# Altium PCB CAMA001AA-PCB.PcbDoc (continued)
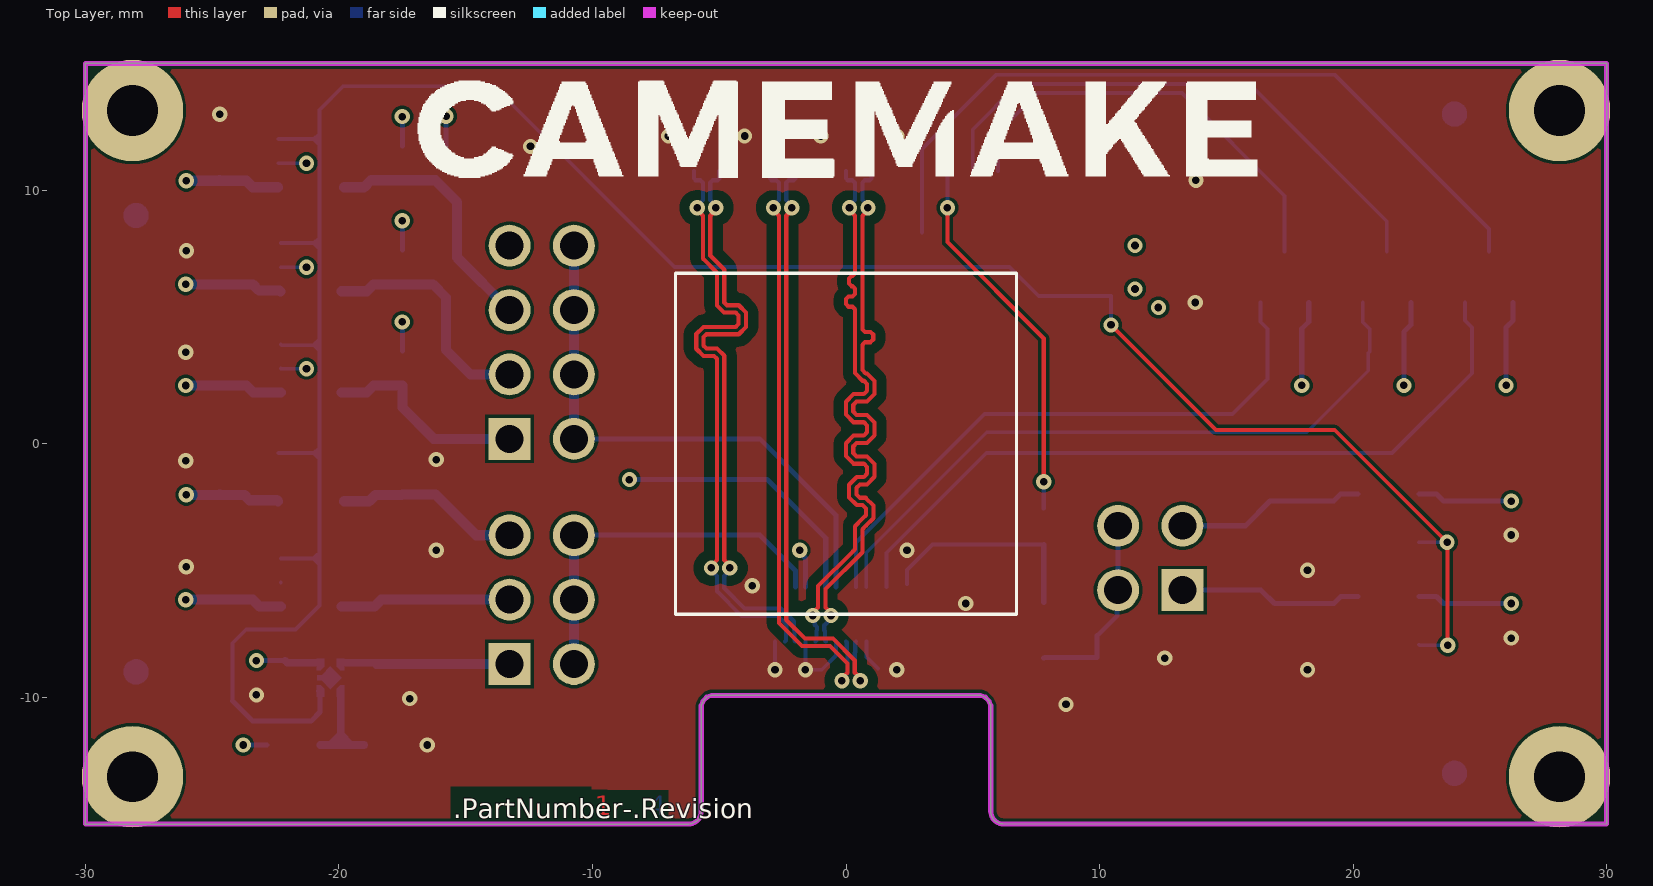
[diagram p0: Top Layer view]
## Part data (continued)
J5: library part "Wurth 61300421121", "THT Vertical Pin Header WR-PHD, Pitch 2.54 mm, Dual Row, 4 pins", Color=Black, Contact Resistance="20 mOhm", Manufacturer="Wurth Electronics", Operating Temperature="-40 to 105 degC", Rated Current="3 A", Supplier Part Number 1=732-5294-ND, Withstanding Voltage="500 VAC", Working Voltage="250 VAC", ComponentLink1Description=Manufacturer, ComponentLink1URL=http://www.we-online.de, ComponentLink2Description=Datasheet, ComponentLink2URL=https://katalog.we-online.de/em/datasheet/6130xx21121.pdf, ComponentLink3Description=https://datasheet.ciiva.com/28505/1442180-28505404.pdf?src-supplier=Element14, ComponentLink3URL=https://datasheet.ciiva.com/28505/1442180-28505404.pdf?src-supplier=Element14, Connector Type="Male Pin", Contact Material=Copper, Contact Mating Length=0.236inch, Contact Plating=Gold, Gender=Male, Lead Free="Lead Free", Manufacturer Part Number=61300421121, Mount="Through Hole", Mounting Technology=THT, Number of Contacts=4, Number of Positions=4, Number of Rows=2, Orientation=Vertical, Packaging=Bag, PART NUMBER=61300421121, Pin Number=4, Pitch="2.54 mm", Pricing 1="1=0,45000, 10=0,38500, 25=0,32120, 50=0,26700, 100=0,24300, 1000=0,22100 (USD)", Pricing 2="10=0,23900, 100=0,21700, 500=0,21400, 1000=0,21000, 2500=0,20600, 5000=0,20200 (EUR)", Pricing 3="1=0,45000, 10=0,38500, 25=0,32100, 50=0,26700, 100=0,24300, 1000=0,22100, 10000=0,22100 (USD)", Pricing 4="5=0,45200, 125=0,22000, 500=0,19600, 2500=0,17600, 5000=0,15800 (EUR)", Pricing 5="125=0,22000, 500=0,19600, 2500=0,17600, 5000=0,15800 (EUR)", Pricing 6="10=0,38500, 25=0,32100, 30=0,32100, 50=0,26700, 100=0,24300, 500=0,23200, 1000=0,22100 (USD)", Published Date="August 2018", Publisher="Wurth Elektronik", REACH SVHC=Unknown, RoHS=Yes, Row Number=Dual, Row Spacing=0.1inch, Stock 1=5126, Stock 2=7099, Stock 3=2729, Stock 4=155, Stock 5=155, Stock 6=6319, Supplier 1=Digi-Key, Supplier 2=Farnell, Supplier 3=Mouser, Supplier 4=RSComponents, Supplier 5=RSComponents, Supplier 6=Newark, Supplier Part Number 2=2356130, Supplier Part Number 3=710-61300421121, Supplier Part Number 4=8281513, Supplier Part Number 5=8281513P, Supplier Part Number 6=20X0953, Termination=Solder
Q1 Q2 Q3: library part "Diodes DMN62D0U-13", "Trans MOSFET N-CH 60V 0.38A Automotive 3-Pin SOT-23 T/R", Alternative MPN1=DMG2302UK-7, Case/Package=TO-236-3, Continuous Drain Current (ID)=380mA, Drain to Source Voltage (Vdss)=60V, Input Capacitance=32pF, Manufacturer=Diodes, Max Operating Temperature=150°C, Max Power Dissipation=380mW, Min Operating Temperature=-55°C, Supplier Part Number 1=DMN62D0U-13DICT-ND, Supplier Part Number 10=3127350, Supplier Part Number 11=3127350RL, Category=MOSFETs, ComponentLink1Description=http://www.farnell.com/datasheets/2814415.pdf?src-supplier=Farnell, ComponentLink1URL=http://www.farnell.com/datasheets/2814415.pdf?src-supplier=Farnell, ComponentLink2Description=http://www.mouser.com/ds/2/115/DMN62D0U-767517.pdf?src-supplier=Mouser, ComponentLink2URL=http://www.mouser.com/ds/2/115/DMN62D0U-767517.pdf?src-supplier=Mouser, ComponentLink3Description=https://www.diodes.com/assets/Datasheets/DMN62D0U.pdf?src-supplier=Digi-Key, ComponentLink3URL=https://www.diodes.com/assets/Datasheets/DMN62D0U.pdf?src-supplier=Digi-Key, ComponentLink4Description=http://www.farnell.com/datasheets/2814415.pdf?src-supplier=Newark, ComponentLink4URL=http://www.farnell.com/datasheets/2814415.pdf?src-supplier=Newark, Manufacturer Part Number=DMN62D0U-13, Mount="Surface Mount", Number of Pins=3, Packaging="Tape and Reel", Pricing 1="1=0,31000, 10=0,25000, 25=0,20920, 100=0,10220, 500=0,08526, 1000=0,05924, 2500=0,05506, 5000=0,04762 (USD)", Pricing 2="1=0,31000, 10=0,25000, 25=0,20920, 100=0,10220, 250=0,10060, 500=0,08526, 1000=0,05924, 2500=0,05506, 5000=0,04762 (USD)", Pricing 3="10000=0,03949, 30000=0,03879, 50000=0,03485, 100000=0,03090, 250000=0,03020 (USD)", Pricing 4="1=0,03800, 10=0,03800, 25=0,03800, 50=0,03800, 100=0,03800, 250=0,03800, 500=0,03800, 1000=0,03800 (USD)", Pricing 5="1=0,26970, 10=0,18100, 100=0,08690, 500=0,07360, 1000=0,04170, 10000=0,03250, 30000=0,03160, 50000=0,02870, 100000=0,02690, 250000=0,02630, 10000=0,02110, 30000=0,02080, 50000=0,01830, 100000=0,01720, 250000=0,01680, 1=0,17820, 10=0,15700, 25=0,15280, 100=0,08380, 250=0,08290, 500=0,07180, 1000=0,04740, 3000=0,04690, 6000=0,04650 (USD)", Pricing 6="1=0,31000, 10=0,20800, 100=0,10000, 500=0,08500, 1000=0,05900, 2500=0,04800 (USD)", Pricing 7="10000=0,02700, 20000=0,02600, 40000=0,02500, 60000=0,02400, 100000=0,02300 (USD)", Pricing 8="1=0,32500, 10=0,22600, 25=0,18400, 50=0,14100, 100=0,09900 (USD)", Pricing 9="10000=0,03817, 20000=0,03714, 40000=0,03710, 60000=0,03218, 80000=0,03213 (USD)", Pricing 10="5=0,19700, 25=0,19100, 100=0,07830, 250=0,07220, 500=0,07190, 1000=0,03770, 5000=0,03700 (GBP)", Pricing 11="10=0,19700, 25=0,19100, 100=0,07830, 250=0,07220, 500=0,07190, 1000=0,03770, 5000=0,03700 (GBP)", Rds On Max=2R, RoHS=Yes, Stock 1=129536, Stock 2=129536, Stock 3=120000, Stock 4=11477, Stock 5=109000, Stock 6=30973, Stock 10=5162, Supplier 1=Digi-Key, Supplier 2=Digi-Key, Supplier 3=Digi-Key, Supplier 4=Newark, Supplier 5="Arrow Electronics", Supplier 6=Mouser, Supplier 7=Newark, Supplier 8=Avnet, Supplier 9=Avnet, Supplier 10=Farnell, Supplier 11=Farnell, Supplier Part Number 2=DMN62D0U-13DIDKR-ND, Supplier Part Number 3=DMN62D0U-13DITR-ND, Supplier Part Number 4=07AH3790, Supplier Part Number 5=DMN62D0U-13, Supplier Part Number 6=621-DMN62D0U-13, Supplier Part Number 7=38AH7803, Supplier Part Number 8=07AH3790, Supplier Part Number 9=DMN62D0U-13
R1: library part "Stackpole RMCF0603JT22R0", "RES 22 OHM 5% 1/10W 0603", Case Code (Imperial)=0603, Case Code (Metric)=1608, Manufacturer="Stackpole Electronics", Max Operating Temperature=155°C, Max Power Dissipation=100mW, Min Operating Temperature=-55°C, Resistance=22, Resistor Type="Thick Film", Supplier Part Number 1=RMCF0603JT22R0CT-ND, Supplier Part Number 10=RMCF0603JT22R0-CUTT, Supplier Part Number 11=RMCF0603JT22R0-REEL, Temperature Coefficient=100ppm/°C, Tolerance=5%, Case/Package=0603, Category="Chip SMD Resistors", ComponentLink1Description=http://components.arrow.com/part/dataview/50568178S380742N1174?src-supplier=Arrow+Electronics, ComponentLink1URL=http://components.arrow.com/part/dataview/50568178S380742N1174?src-supplier=Arrow+Electronics, ComponentLink2Description=https://www.seielect.com/catalog/SEI-Packaging.pdf?src-supplier=Digi-Key, ComponentLink2URL=https://www.seielect.com/catalog/SEI-Packaging.pdf?src-supplier=Digi-Key, ComponentLink3Description=http://www.seielect.com/catalog/sei-rmc.pdf?src-supplier=Future+Electronics, ComponentLink3URL=http://www.seielect.com/catalog/sei-rmc.pdf?src-supplier=Future+Electronics, ComponentLink4Description=https://www.seielect.com/catalog/SEI-RMCF_RMCP.pdf?src-supplier=Avnet, ComponentLink4URL=https://www.seielect.com/catalog/SEI-RMCF_RMCP.pdf?src-supplier=Avnet, ComponentLink5Description=https://www.seielect.com/catalog/SEI-RMCF_RMCP.pdf?src-supplier=Avnet+Asia, ComponentLink5URL=https://www.seielect.com/catalog/SEI-RMCF_RMCP.pdf?src-supplier=Avnet+Asia, Contact Plating=Tin,Matte, Features="Automotive AEC-Q200", Height=0.022inch, Lead Free="Lead Free", Length=0.061inch, Manufacturer Part Number=RMCF0603JT22R0, Mount="Surface Mount", Number of Terminations=2, Packaging="Tape and Reel", Power Rating=100mW, Pricing 1="1=0,10000, 10=0,01400, 100=0,00580, 1000=0,00262, 2500=0,00228 (USD)", Pricing 2="1=0,10000, 10=0,01400, 100=0,00580, 1000=0,00262, 2500=0,00228 (USD)", Pricing 3="5000=0,00188, 10000=0,00163, 25000=0,00144, 50000=0,00132, 125000=0,00129 (USD)", Pricing 4="1=0,09800, 50=0,01930, 100=0,01450, 500=0,00740, 1500=0,00470 (USD)", Pricing 5="5000=0,00130, 500000=0,00120, 1=0,01460, 25=0,01450, 100=0,00500, 500=0,00330 (USD)", Pricing 6="5000=0,00300, 50000=0,00200 (USD)", Pricing 7="5000=0,00128, 10000=0,00126, 20000=0,00122, 30000=0,00120, 40000=0,00115, 50000=0,00113, 500000=0,00110 (USD)", Pricing 8="5000=0,00370, 15000=0,00310, 25000=0,00310, 75000=0,00300, 125000=0,00300 (USD)", Radiation Hardening=No, RoHS=Yes, RoHS Compliant=Yes, Series=RMCF, Size Code=0603, Stock 1=246248, Stock 2=246248, Stock 3=245000, Stock 4=2482, Stock 5=10000, Supplier 1=Digi-Key, Supplier 2=Digi-Key, Supplier 3=Digi-Key, Supplier 4="Future Electronics", Supplier 5="Arrow Electronics", Supplier 6=Newark, Supplier 7=Avnet, Supplier 8="Future Electronics", Supplier 9=Digi-Key, Supplier 10="Future Electronics", Supplier 11="Future Electronics", Supplier Part Number 2=RMCF0603JT22R0DKR-ND, Supplier Part Number 3=RMCF0603JT22R0TR-ND, Supplier Part Number 4=2113254, Supplier Part Number 5=RMCF0603JT22R0, Supplier Part Number 6=32AC2627, Supplier Part Number 7=RMCF0603JT22R0, Supplier Part Number 8=5190178, Supplier Part Number 9=RMCF0603JT22R0-ND, Width=0.031inch
R2 R3 R5: library part "Stackpole RMCF0603FT2K20", "RES 2.2K OHM 1% 1/10W 0603", Case Code (Imperial)=0603, Case Code (Metric)=1608, Manufacturer="Stackpole Electronics", Max Operating Temperature=155°C, Max Power Dissipation=100mW, Min Operating Temperature=-55°C, Resistance=2.2k, Resistor Type="Thick Film", Supplier Part Number 1=RMCF0603FT2K20CT-ND, Temperature Coefficient=100ppm/°C, Tolerance=1%, Case/Package=0603, Category="Chip SMD Resistors", ComponentLink1Description=http://components.arrow.com/part/dataview/46931077S7088098N1174?src-supplier=Arrow+Electronics, ComponentLink1URL=http://components.arrow.com/part/dataview/46931077S7088098N1174?src-supplier=Arrow+Electronics, ComponentLink2Description=https://www.seielect.com/catalog/SEI-RMCF_RMCP.pdf?src-supplier=Avnet+Asia, ComponentLink2URL=https://www.seielect.com/catalog/SEI-RMCF_RMCP.pdf?src-supplier=Avnet+Asia, ComponentLink3Description=https://www.seielect.com/catalog/SEI-RMCF_RMCP.pdf?src-supplier=Avnet, ComponentLink3URL=https://www.seielect.com/catalog/SEI-RMCF_RMCP.pdf?src-supplier=Avnet, ComponentLink4Description=https://www.seielect.com/catalog/SEI-Packaging.pdf?src-supplier=Digi-Key, ComponentLink4URL=https://www.seielect.com/catalog/SEI-Packaging.pdf?src-supplier=Digi-Key, ComponentLink5Description=http://www.seielect.com/Catalog/SEI-rmc.pdf?src-supplier=Future+Electronics, ComponentLink5URL=http://www.seielect.com/Catalog/SEI-rmc.pdf?src-supplier=Future+Electronics, Contact Plating=Tin,Matte, Features="Automotive AEC-Q200", Height=0.022inch, Lead Free="Lead Free", Length=0.061inch, Manufacturer Part Number=RMCF0603FT2K20, Mount="Surface Mount", Number of Terminations=2, Packaging="Tape and Reel", Power Rating=100mW, Pricing 1="1=0,10000, 10=0,01500, 100=0,00590, 1000=0,00265, 2500=0,00230 (USD)", Pricing 2="1=0,10000, 10=0,01500, 100=0,00590, 1000=0,00265, 2500=0,00230 (USD)", Pricing 3="5000=0,00190, 10000=0,00165, 25000=0,00145, 50000=0,00136 (USD)", Pricing 4="5000=0,00220, 10000=0,00218, 20000=0,00216, 30000=0,00214, 40000=0,00212 (USD)", Pricing 5="5000=0,00200, 10000=0,00160, 1=0,02480, 10=0,01110, 25=0,00950 (USD)", Pricing 6="5000=0,00260, 20000=0,00220, 75000=0,00210, 200000=0,00210, 500000=0,00210 (USD)", Radiation Hardening=No, RoHS=Yes, Stock 1=288002, Stock 2=288002, Stock 3=285000, Stock 4=15000, Stock 5=5000, Supplier 1=Digi-Key, Supplier 2=Digi-Key, Supplier 3=Digi-Key, Supplier 4=Avnet, Supplier 5="Arrow Electronics", Supplier 6="Future Electronics", Supplier Part Number 2=RMCF0603FT2K20DKR-ND, Supplier Part Number 3=RMCF0603FT2K20TR-ND, Supplier Part Number 4=RMCF0603FT2K20, Supplier Part Number 5=RMCF0603FT2K20, Supplier Part Number 6=7001095, Width=0.031inch
R8: library part "Stackpole RMCF0603FT10K0", "Res Thick Film 0603 10K Ohm 1% 0.1W(1/10W) ±100ppm/C Molded SMD Automotive T/R", Case Code (Imperial)=0603, Case Code (Metric)=1608, Manufacturer="Stackpole Electronics", Max Operating Temperature=155°C, Max Power Dissipation=100mW, Min Operating Temperature=-55°C, Resistance=10k, Resistor Type="Thick Film", Supplier Part Number 1=RMCF0603FT10K0CT-ND, Supplier Part Number 10=RMCF0603FT10K0-ND, Supplier Part Number 11=RMCF0603FT10K0-CUTT, Supplier Part Number 12=RMCF0603FT10K0-REEL, Temperature Coefficient=100ppm/°C, Tolerance=1%, Case/Package=0603, Category="Chip SMD Resistors", ComponentLink1Description=http://components.arrow.com/part/dataview/43747082S6756917N1174?src-supplier=Arrow+Electronics, ComponentLink1URL=http://components.arrow.com/part/dataview/43747082S6756917N1174?src-supplier=Arrow+Electronics, ComponentLink2Description=https://www.seielect.com/catalog/sei-rmcf_rmcp.pdf?src-supplier=Digi-Key, ComponentLink2URL=https://www.seielect.com/catalog/sei-rmcf_rmcp.pdf?src-supplier=Digi-Key, ComponentLink3Description=https://www.seielect.com/catalog/SEI-RMCF_RMCP.pdf?src-supplier=Avnet, ComponentLink3URL=https://www.seielect.com/catalog/SEI-RMCF_RMCP.pdf?src-supplier=Avnet, ComponentLink4Description=http://www.seielect.com/catalog/sei-rmc.pdf?src-supplier=Future+Electronics, ComponentLink4URL=http://www.seielect.com/catalog/sei-rmc.pdf?src-supplier=Future+Electronics, ComponentLink5Description=https://www.verical.com/server-webapp/html/getDatasheet?partID=360913&src-supplier=Verical, ComponentLink5URL=https://www.verical.com/server-webapp/html/getDatasheet?partID=360913&src-supplier=Verical, Contact Plating=Tin,Matte, Depth=0.8mm, Features="Automotive AEC-Q200", Height=0.022inch, Lead Free="Lead Free", Length=1.55mm, Manufacturer Part Number=RMCF0603FT10K0, Military Standard=Not, Mount="Surface Mount", Number of Terminations=2, Packaging="Tape and Reel", Power Rating=100mW, Pricing 1="1=0,10000, 10=0,01500, 100=0,00590, 1000=0,00265, 2500=0,00230 (USD)", Pricing 2="1=0,10000, 10=0,01500, 100=0,00590, 1000=0,00265, 2500=0,00230 (USD)", Pricing 3="5000=0,00190, 10000=0,00165, 25000=0,00145, 50000=0,00136 (USD)", Pricing 4="5000=0,00300, 20000=0,00300, 30000=0,00300 (USD)", Pricing 5="5000=0,01889, 10000=0,01887, 20000=0,01884, 30000=0,01882, 40000=0,01879 (USD)", Pricing 6="1=0,00810, 50=0,00520, 100=0,00480, 500=0,00400, 1500=0,00350 (USD)", Pricing 7="5000=0,00190, 1=0,02060 (USD)", Pricing 8="5000=0,00280, 20000=0,00230, 75000=0,00230, 200000=0,00230, 500000=0,00220 (USD)", Radiation Hardening=No, RoHS=Yes, Stock 1=1019094, Stock 2=1019094, Stock 3=1018900, Stock 4=65000, Stock 5=65000, Stock 6=65964, Stock 7=315000, Supplier 1=Digi-Key, Supplier 2=Digi-Key, Supplier 3=Digi-Key, Supplier 4=Newark, Supplier 5=Avnet, Supplier 6="Future Electronics", Supplier 7="Arrow Electronics", Supplier 8="Future Electronics", Supplier 9=Newark, Supplier 10=Digi-Key, Supplier 11="Future Electronics", Supplier 12="Future Electronics", Supplier Part Number 2=RMCF0603FT10K0DKR-ND, Supplier Part Number 3=RMCF0603FT10K0TR-ND, Supplier Part Number 4=26AC3219, Supplier Part Number 5=RMCF0603FT10K0, Supplier Part Number 6=1132596, Supplier Part Number 7=RMCF0603FT10K0, Supplier Part Number 8=5783949, Supplier Part Number 9=78Y4027, Width=0.031inch
R9: library part "Stackpole RMCF0603ZT0R00", "Res Thkflm 0603 0 Ohm Jumper 1/10W 100Ppm/ C Smd Rohs Compliant: Yes", Case Code (Imperial)=0603, Case Code (Metric)=1608, Current Rating=1A, Manufacturer="Stackpole Electronics", Max Operating Temperature=155°C, Max Power Dissipation=100mW, Min Operating Temperature=-55°C, Resistance=0, Resistor Type="Thick Film", Supplier Part Number 1=RMCF0603ZT0R00CT-ND, Supplier Part Number 10=RMCF0603ZT0R00-REEL, Supplier Part Number 11=RMCF0603ZT0R00-CUTT, Working Voltage=75V, Case/Package=0603, Category="Chip SMD Resistors", ComponentLink1Description=https://www.seielect.com/catalog/SEI-Packaging.pdf?src-supplier=Avnet, ComponentLink1URL=https://www.seielect.com/catalog/SEI-Packaging.pdf?src-supplier=Avnet, ComponentLink2Description=https://www.seielect.com/catalog/SEI-Packaging.pdf?src-supplier=Verical, ComponentLink2URL=https://www.seielect.com/catalog/SEI-Packaging.pdf?src-supplier=Verical, ComponentLink3Description=https://www.seielect.com/catalog/SEI-Packaging.pdf?src-supplier=Digi-Key, ComponentLink3URL=https://www.seielect.com/catalog/SEI-Packaging.pdf?src-supplier=Digi-Key, ComponentLink4Description=https://www.seielect.com/Catalog/SEI-RMCF_RMCP.pdf?src-supplier=Digi-Key, ComponentLink4URL=https://www.seielect.com/Catalog/SEI-RMCF_RMCP.pdf?src-supplier=Digi-Key, ComponentLink5Description=https://www.seielect.com/catalog/SEI-Packaging.pdf?src-supplier=Arrow+Electronics, ComponentLink5URL=https://www.seielect.com/catalog/SEI-Packaging.pdf?src-supplier=Arrow+Electronics, Contact Plating=Tin,Matte, Depth=0.8mm, Features="Automotive AEC-Q200", Height=0.022inch, Lead Free="Lead Free", Length=1.55mm, Manufacturer Part Number=RMCF0603ZT0R00, Military Standard=Not, Mount="Surface Mount", Number of Terminations=2, Packaging="Tape and Reel", Power Rating=100mW, Pricing 1="1=0,10000, 10=0,01300, 25=0,00960, 50=0,00720, 100=0,00530, 250=0,00404, 500=0,00324, 1000=0,00239 (USD)", Pricing 2="1=0,10000, 10=0,01300, 25=0,00960, 50=0,00720, 100=0,00530, 250=0,00404, 500=0,00324, 1000=0,00239 (USD)", Pricing 3="5000=0,00171, 10000=0,00149, 25000=0,00131, 50000=0,00122 (USD)", Pricing 4="1=0,00300, 5000=0,00300, 10000=0,00300 (USD)", Pricing 5="5000=0,00215, 10000=0,00215, 20000=0,00215, 30000=0,00215, 40000=0,00214 (USD)", Pricing 6="1=0,00390, 50=0,00310, 100=0,00300, 500=0,00270, 1500=0,00250 (USD)", Pricing 7="5000=0,00200, 25000=0,00170, 100000=0,00160, 250000=0,00160, 625000=0,00160 (USD)", Pricing 8="5000=0,00180, 10000=0,00160, 1=0,01820, 10=0,00810, 25=0,00660, 100=0,00440, 250=0,00350, 500=0,00310, 1000=0,00250, 3000=0,00220 (USD)", Radiation Hardening=No, RoHS=Yes, Stock 1=1487210, Stock 2=1487210, Stock 3=1475000, Stock 4=730000, Stock 5=730000, Stock 6=248827, Stock 7=245000, Stock 8=385000, Supplier 1=Digi-Key, Supplier 2=Digi-Key, Supplier 3=Digi-Key, Supplier 4=Newark, Supplier 5=Avnet, Supplier 6="Future Electronics", Supplier 7="Future Electronics", Supplier 8="Arrow Electronics", Supplier 9=Digi-Key, Supplier 10="Future Electronics", Supplier 11="Future Electronics", Supplier Part Number 2=RMCF0603ZT0R00DKR-ND, Supplier Part Number 3=RMCF0603ZT0R00TR-ND, Supplier Part Number 4=23AC9299, Supplier Part Number 5=RMCF0603ZT0R00, Supplier Part Number 6=9098835, Supplier Part Number 7=1874429, Supplier Part Number 8=RMCF0603ZT0R00, Supplier Part Number 9=RMCF0603ZT0R00-ND, Width=0.031inch
Y1: "Oscillator XO 24MHz ±50ppm 15pF HCMOS 55% 1.8V/2.5V/3.3V 4-Pin Mini-CSMD T/R", Manufacturer="ECS International", Supplier Part Number 10=57AK3064, Category=Oscillators, ComponentLink1Description=https://www.ecsxtal.com/store/pdf/ECS-3225MV.pdf?src-supplier=Digi-Key, ComponentLink1URL=https://www.ecsxtal.com/store/pdf/ECS-3225MV.pdf?src-supplier=Digi-Key, ComponentLink2Description=https://ecsxtal.com/store/pdf/ECS-3225MV.pdf?src-supplier=Digi-Key, ComponentLink2URL=https://ecsxtal.com/store/pdf/ECS-3225MV.pdf?src-supplier=Digi-Key, ComponentLink3Description=https://datasheet.octopart.com/ECS-3225MV-240-BN-TR-ECS-International-datasheet-138123784.pdf?src-supplier=Future+Electronics, ComponentLink3URL=https://datasheet.octopart.com/ECS-3225MV-240-BN-TR-ECS-International-datasheet-138123784.pdf?src-supplier=Future+Electronics, ComponentLink4Description=https://datasheet.octopart.com/ECS-3225MV-240-BN-TR-ECS-International-datasheet-163697695.pdf?src-supplier=Master+Electronics, ComponentLink4URL=https://datasheet.octopart.com/ECS-3225MV-240-BN-TR-ECS-International-datasheet-163697695.pdf?src-supplier=Master+Electronics, Manufacturer Part Number=ECS-3225MV-240-BN-TR, Pricing 1="1=1,1185, 10=0,9262, 50=0,9036, 100=0,7955, 500=0,7519, 1000=0,6177 (USD)", Pricing 2="1000=0,713 (USD)", Pricing 3="1=1,12, 10=0,988, 50=0,9238, 100=0,8164, 500=0,77344 (USD)", Pricing 4="1=1,12, 10=0,988, 50=0,9238, 100=0,8164, 500=0,77344 (USD)", Pricing 5="1000=0,64454, 3000=0,62306, 5000=0,60157, 10000=0,58009 (USD)", Pricing 6="1000=0,64, 2000=0,625, 3000=0,615, 4000=0,605 (USD)", Pricing 7="1=1,12, 50=0,996, 100=0,871, 250=0,848, 500=0,825, 1000=0,809, 5000=0,792, 10000=0,776 (EUR)", Pricing 8="100=0,871, 250=0,848, 500=0,825, 1000=0,809, 5000=0,792, 10000=0,776 (EUR)", Pricing 9="1=1,12, 10=0,924, 50=0,924, 100=0,817, 1000=0,644, 10000=0,58 (USD)", Pricing 10="1=1,14, 10=0,942, 25=0,906, 50=0,87, 100=0,833, 250=0,812, 500=0,789 (USD)", RoHS=Yes, Stock 1=261, Stock 2=150000, Stock 3=35900, Stock 4=35900, Stock 5=35000, Stock 6=1000, Stock 7=427, Stock 8=427, Stock 9=4651, Stock 10=427, Supplier 1="Arrow Electronics", Supplier 2=Avnet, Supplier 3=Digi-Key, Supplier 4=Digi-Key, Supplier 5=Digi-Key, Supplier 6="Future Electronics", Supplier 7=Farnell, Supplier 8=Farnell, Supplier 9=Mouser, Supplier 10=Newark, Supplier Part Number 1=ECS-3225MV-240-BN-TR, Supplier Part Number 2=ECS-3225MV-240-BN-TR, Supplier Part Number 3=XC2876CT-ND, Supplier Part Number 4=XC2876DKR-ND, Supplier Part Number 5=XC2876TR-ND, Supplier Part Number 6=9119217, Supplier Part Number 7=4059327, Supplier Part Number 8=4059327RL, Supplier Part Number 9=520-3225MV-240-BNT

## Free pads (board coordinates)
  round 4 hole 2: ""(-28.14,-13.14) ""(-28.14,13.14) ""(28.14,-13.14) ""(28.14,13.14)

## Via types
v1: diameter 0.6, hole 0.3, Top Layer to Bottom Layer, tented both sides, 70 vias

## Nets (pads, with @x,y where several pads share a name; then routed paths per layer and width w, separated by ;. In a path a pad name is that pad's centre, name@x,y a point inside that pad or via, vN(x,y) a via of type N, cw(c..) or ccw(c..) an arc to the next point about the centre after c; other vN are vias at no path point)
+1V2_D: C14.1 IC5.5 J4.3 | length 6.7
  Bottom Layer w0.4: IC5.5 -18.606,-6.428 -18.331,-6.153 J4.3@-13.27,-6.153
+1V5_D: C20.1 IC8.5 J4.5 | length 7.3
  Bottom Layer w0.4: IC8.5 -18.808,-2.273 -18.553,-2.018 -17.511,-2.018 C20.1 -16.2,-1.998 -14.588,-3.61 J4.5
+1V05_D: C4.1 IC2.1 J4.1 | length 6.7
  Bottom Layer w0.3: IC2.1@-19.933,-8.643 -19.869,-8.643 C4.1@-18.553,-8.643
  Bottom Layer w0.4: C4.1 -13.42,-8.69 J4.1@-13.27,-8.54
+1V8_D: C10.1 IC3.5 J5.2 | length 7.4
  Bottom Layer w0.2: J5.2 15.754,-3.236 16.726,-2.264 C10.1 19.236,-2.264 19.511,-1.989 IC3.5
+2V7_A: C7.1 IC1.5 J3.1 | length 8.1
  Bottom Layer w0.4: IC1.5 -18.902,2.018 -18.627,2.293 C7.1 -17.491,1.423 -16.258,0.19 J3.1
+2V8_A: C12.1 IC4.5 J3.3 | length 9.4
  Bottom Layer w0.4: IC4.5 -18.902,6.009 -18.627,6.284 -16.29,6.284 -15.773,5.767 -15.773,3.693 -14.81,2.73 J3.3
+2V8_D: C16.1 IC6.5 J5.1 | length 7.3
  Bottom Layer w0.2: J5.1 16.371,-5.776 16.9,-6.305 C16.1 19.236,-6.305 19.511,-6.03 IC6.5
+2V9_A: C18.1 IC7.5 J3.5 | length 10
  Bottom Layer w0.4: IC7.5 -19.006,10.113 -18.731,10.388 C18.1 -16.2,10.388 -15.337,9.525 -15.337,7.337 J3.5
+3V3: C1.2 C2.2 C5.1 C8.1 C9.1 C11.1 C13.1 C15.1 C17.1 C19.1 FB1.1 FB3.1 IC1.1 IC2.4 IC3.1 IC4.1 IC5.1 IC6.1 IC7.1 IC8.1 J3.7 R8.1 | length 30.1
  Bottom Layer w0.2: v1(-23.776,-11.886) FB3.1 ; v1(-23.255,-8.557) C5.1 ; IC6.1 23.289,-6.03 23.564,-6.305 C15.1 v1(26.239,-6.305) ; IC3.1 23.289,-1.989 23.564,-2.264 C9.1 v1(26.239,-2.264)
  Bottom Layer w0.3: C5.1 -22.026,-8.643 IC2.4@-20.733,-8.643
  Bottom Layer w0.4: v1(-26.039,-6.153) C13.1 -23.397,-6.153 -23.122,-6.428 IC5.1 ; v1(-26.039,2.293) C8.1 -23.653,2.293 -23.378,2.018 IC1.1 ; v1(-26.039,6.284) C11.1 -23.398,6.284 -23.158,6.045 -22.344,6.045 IC4.1@-22.302,6.002 ; v1(-26.019,-2.018) C19.1@-24.68,-2.018 ; v1(-26.019,10.368) C17.1@-24.68,10.368 ; C19.1 C19.1@-24.68,-2.018 ; C17.1 C17.1@-24.68,10.368 ; IC8.1 -22.438,-2.231 -23.523,-2.231 -23.735,-2.018 C19.1@-24.68,-2.018 ; IC7.1 -23.398,10.113 -23.653,10.368 C17.1@-24.68,10.368
  other v1: 12.32,5.371 11.4,6.1 11.4,7.816
+3V3-BIAS: C3.1 FB3.2 IC2.2 | length 3.8
  Bottom Layer w0.3: FB3.2 -19.933,-11.886 ; IC2.2@-19.933,-9.82 -19.933,-11.886 ; C3.1 -19.933,-11.886
+3V3_EXT: FB1.2 J2.15
+VCORE: J1.3 J4.2 J4.4 J4.6 | length 15
  Bottom Layer w0.2: J4.6 -3.396,-3.61 -2,-5.006 J1.3
  Bottom Layer w0.4: J4.2 J4.4 J4.6
+VDDA: J1.7 J3.2 J3.4 J3.6 J3.8 | length 22
  Bottom Layer w0.2: J3.2 -3.405,0.19 -1.708,-1.507 -0.4,-2.815 J1.7
  Bottom Layer w0.4: J3.2 J3.4 J3.6 J3.8
+VDDIO: C6.2 J1.4 J5.3 J5.4 Q1.G Q2.G Q3.G R2.2 R3.2 R5.2 Y1.4 | length 19.3
  Bottom Layer w0.2: v1(-1.822,-4.2) -1.822,-4.286 -1.6,-4.508 J1.4 ; Y1.4 7.831,-8.425 C6.2 9.904,-7.573 10.693,-6.784 10.693,-5.813 J5.3 J5.4 ; v1(17.975,2.3) R2.2 17.975,4.532 18.25,4.807 Q1.G ; v1(22.004,2.3) R3.2 22.004,4.41 22.279,4.685 Q2.G ; v1(26.034,2.3) R5.2 26.034,4.579 26.309,4.854 Q3.G
AGND: C7.2 C12.2 C18.2 FB2.2 IC1.2 IC4.2 IC7.2 J1.6 | length 18.4
  Bottom Layer w0.15: IC7.2 v1(-21.279,11.063) ; IC1.2 -22.286,2.958 v1(-21.279,2.958) ; IC4.2 v1(-21.279,6.959)
  Bottom Layer w0.2: C7.2@-17.5,3.652 v1(-17.5,4.804) ; C12.2@-17.5,7.643 v1(-17.5,8.796) ; v1(-17.5,12.9) -17.5,11.747 C18.2 ; FB2.2 -15.773,11.74 v1(-15.773,12.911) ; v1(-8.543,-1.415) -3.107,-1.415 -0.8,-3.723 J1.6
CAM_MCLK: J1.14 R1.2 Y1.3 | length 8.7
  Bottom Layer w0.15: J1.14@2.4,-5.535 2.4,-4.986 3.415,-3.971 R1.2@7.796,-3.971
  Bottom Layer w0.2: R1.2@7.796,-3.971 7.8,-3.975 Y1.3
CAM_PWDN: J2.11 Q3.D R9.1 | length 30.3
  Bottom Layer w0.15: R9.1 J2.11 3,11.622 5.932,14.554 19.271,14.554 25.359,8.466 Q3.D
CAM_PWDN_1V8: J1.12 Q3.S R5.1 | length 30.3
  Bottom Layer w0.15: J1.12 1.6,-4.302 5.529,-0.373 21.535,-0.373 24.684,2.776 R5.1 24.684,4.579 24.409,4.854 Q3.S
CAM_SCL_1V8: J1.10 Q2.S R3.1 | length 26.9
  Bottom Layer w0.15: J1.10 0.8,-4.305 5.553,0.449 18.172,0.449 20.6,2.877 20.6,3.585 R3.1 20.654,4.525 20.379,4.8 Q2.S
CAM_SCL_3V3: J2.13 Q2.D | length 22.2
  Bottom Layer w0.15: J2.13 5,12.394 6.79,14.184 15.919,14.184 21.329,8.775 Q2.D
CAM_SDA_1V8: J1.9 Q1.S R2.1 | length 23.8
  Bottom Layer w0.15: J1.9 0.4,-3.9 5.465,1.165 15.238,1.165 16.625,2.552 R2.1 16.625,4.532 16.35,4.807 Q1.S
CAM_SDA_3V3: J2.14 Q1.D | length 17.4
  Bottom Layer w0.15: J2.14 6,12.278 7.547,13.825 13.255,13.825 17.3,9.78 Q1.D
CLK_N: J1.26 J2.8 | length 24.1
  Top Layer w0.164: v1(-1.315,-6.779) -1.315,-6.68 -1.1,-6.465 -1.1,-5.618 0.252,-4.265 0.355,-4.162 0.355,-4.098 0.355,-3.255 0.657,-2.953 0.789,-2.821 0.789,-2.557 0.657,-2.425 0.426,-2.425 0.124,-2.123 0.124,-1.619 0.426,-1.318 0.702,-1.318 0.834,-1.186 0.834,-0.921 0.702,-0.789 0.297,-0.789 -0.005,-0.488 -0.005,0.016 0.297,0.318 0.702,0.318 0.834,0.45 0.834,0.714 0.702,0.846 0.297,0.846 -0.005,1.148 -0.005,1.652 0.297,1.953 0.702,1.953 0.834,2.086 0.834,2.35 0.702,2.482 0.657,2.482 0.355,2.783 0.355,3.07 0.355,5.219 0.355,5.301 0.254,5.402 0.096,5.402 -0.005,5.503 -0.005,5.706 0.096,5.807 0.254,5.807 0.355,5.908 0.355,6.11 0.254,6.211 0.221,6.211 0.12,6.312 0.12,6.514 0.221,6.615 0.254,6.615 0.355,6.717 0.355,7.21 0.355,8.988 0.137,9.206 v1(0.137,9.302)
  Bottom Layer w0.164: v1(-1.315,-6.779) -1.232,-6.862 -1.232,-7.141 -1.145,-7.228 -1.145,-7.356 -1.167,-7.378 -1.167,-7.767 J1.26 ; J2.8 0,10.455 0.068,10.387 0.259,10.387 0.355,10.291 0.355,9.616 0.137,9.399 v1(0.137,9.302)
CLK_P: J1.25 J2.9 | length 24
  Top Layer w0.164: v1(-0.59,-6.779) -0.59,-6.685 -0.811,-6.465 -0.811,-5.737 0.645,-4.282 0.645,-4.265 0.645,-4.098 0.645,-3.375 0.777,-3.243 1.078,-2.941 1.078,-2.437 0.777,-2.136 0.546,-2.136 0.414,-2.003 0.414,-1.739 0.546,-1.607 0.822,-1.607 1.124,-1.306 1.124,-0.802 0.822,-0.5 0.417,-0.5 0.285,-0.368 0.285,-0.104 0.417,0.028 0.822,0.028 1.124,0.33 1.124,0.834 0.822,1.136 0.417,1.136 0.285,1.268 0.285,1.532 0.417,1.664 0.822,1.664 1.124,1.966 1.124,2.47 0.822,2.771 0.777,2.771 0.645,2.903 0.645,3.07 0.645,3.416 0.645,3.902 0.746,4.003 0.972,4.003 1.073,4.104 1.073,4.307 0.972,4.408 0.746,4.408 0.645,4.509 0.645,6.032 0.645,8.988 0.862,9.206 v1(0.862,9.302)
  Bottom Layer w0.164: J1.25 -0.833,-7.767 -0.833,-7.378 -0.855,-7.356 -0.855,-7.162 -0.59,-6.897 v1(-0.59,-6.779) ; v1(0.862,9.302) 0.862,9.399 0.645,9.616 0.645,10.291 0.741,10.387 0.932,10.387 1,10.455 J2.9
D0_N: J1.29 J2.2 | length 24
  Top Layer w0.164: v1(-5.863,9.302) -5.863,9.206 -5.645,8.988 -5.645,7.296 -5.092,6.743 -5.092,5.74 -5.092,5.453 -4.809,5.17 -4.351,5.17 -4.238,5.058 -4.238,4.719 -4.351,4.606 -5.624,4.606 -5.907,4.324 -5.907,3.745 -5.624,3.463 -5.205,3.463 -5.092,3.35 -5.092,2.88 -5.092,-4.586 -5.309,-4.804 v1(-5.309,-4.9)
  Bottom Layer w0.164: J2.2 -6,10.455 -5.932,10.387 -5.741,10.387 -5.645,10.291 -5.645,9.616 -5.863,9.399 v1(-5.863,9.302) ; v1(-5.309,-4.9) -5.309,-4.996 -5.092,-5.214 -5.092,-5.818 -4.12,-6.789 -2.678,-6.789 -2.345,-7.122 -2.345,-7.356 -2.367,-7.378 -2.367,-7.767 J1.29
D0_P: J1.28 J2.3 | length 24
  Top Layer w0.164: v1(-5.138,9.302) -5.138,9.206 -5.355,8.988 -5.355,7.416 -4.802,6.863 -4.802,5.74 -4.802,5.573 -4.689,5.46 -4.231,5.46 -3.948,5.177 -3.948,4.599 -4.231,4.317 -5.504,4.317 -5.617,4.204 -5.617,3.865 -5.504,3.752 -5.085,3.752 -4.802,3.47 -4.802,2.88 -4.802,-4.586 -4.584,-4.804 v1(-4.584,-4.9)
  Bottom Layer w0.164: v1(-5.138,9.302) -5.138,9.399 -5.355,9.616 -5.355,10.291 -5.259,10.387 -5.068,10.387 -5,10.455 J2.3 ; v1(-4.584,-4.9) -4.584,-4.996 -4.802,-5.214 -4.802,-5.698 -4,-6.5 -2.558,-6.5 -2.055,-7.002 -2.055,-7.356 -2.033,-7.378 -2.033,-7.767 J1.28
D1_N: J1.23 J2.5 | length 24
  Top Layer w0.164: v1(-2.863,9.302) -2.863,9.206 -2.645,8.988 -2.645,-7.067 -1.737,-7.975 -0.637,-7.975 0.055,-8.667 0.055,-9.032 -0.163,-9.25 v1(-0.163,-9.346)
  Bottom Layer w0.164: J2.5 -3,10.455 -2.932,10.387 -2.741,10.387 -2.645,10.291 -2.645,9.616 -2.863,9.399 v1(-2.863,9.302) ; v1(-0.163,-9.346) -0.163,-9.25 0.055,-9.032 0.055,-8.693 0.055,-8.244 0.033,-8.222 0.033,-7.833 J1.23
D1_P: J1.22 J2.6 | length 24
  Top Layer w0.164: v1(-2.138,9.302) -2.138,9.206 -2.355,8.988 -2.355,-6.947 -1.617,-7.685 -0.518,-7.685 0.345,-8.547 0.345,-9.032 0.562,-9.25 v1(0.562,-9.346)
  Bottom Layer w0.164: v1(-2.138,9.302) -2.138,9.399 -2.355,9.616 -2.355,10.291 -2.259,10.387 -2.068,10.387 -2,10.455 J2.6 ; J1.22 0.367,-7.833 0.367,-8.222 0.345,-8.244 0.345,-8.573 0.345,-9.032 0.562,-9.25 v1(0.562,-9.346)
D2_N: J1.20
D2_P: J1.19
D3_N: J1.17
D3_P: J1.16
EN: IC1.3 IC2.3 IC3.3 IC4.3 IC5.3 IC6.3 IC7.3 IC8.3 R8.2 R9.2 | length 97.8
  Top Layer w0.15: v1(10.45,4.685) 14.591,0.544 19.276,0.544 v1(23.708,-3.889) 23.719,-3.899 23.719,-7.941 v1(23.73,-7.951)
  Bottom Layer w0.15: -24.187,-10.147 -24.2,-10.133 -24.2,-7.871 -23.653,-7.324 -21.707,-7.324 -20.767,-6.384 -20.767,-4.506 ; IC8.3 -20.767,-0.373 ; IC7.3 -20.767,12.013 ; IC5.3 -20.789,-4.528 -20.767,-4.506 ; IC1.3 -22.259,3.882 -20.767,3.882 ; IC4.3 -20.846,7.909 -20.767,7.83 ; v1(10.45,4.685) R8.2 7.6,5.821 6.45,6.971 R9.2 -6.759,6.971 -13.888,14.1 -19.833,14.1 -20.767,13.165 -20.767,12.013 ; IC6.3 22.621,-7.951 v1(23.73,-7.951) ; IC3.3 v1(23.708,-3.889) ; -20.767,-4.506 -20.767,-0.373 ; -20.767,-0.373 -20.767,3.882 ; -20.767,3.882 -20.767,7.83 ; -20.767,7.83 -20.767,12.013
  Bottom Layer w0.2: -24.187,-10.147 -23.397,-10.936 -21.095,-10.936 -20.743,-10.584 -20.743,-9.81 IC2.3@-20.796,-9.757
GND: C1.1 C2.1 C3.2 C4.2 C5.2 C6.1 C8.2 C9.2 C10.2 C11.2 C13.2 C14.2 C15.2 C16.2 C17.2 C19.2 C20.2 FB2.1 IC2.5 IC3.2 IC5.2 IC6.2 IC8.2 J1.1 J1.2 J1.8 J1.13 J1.15 J1.18 J1.21 J1.24 J1.27 J1.30 J2.1 J2.4 J2.7 J2.10 J2.MP1 J2.MP2 Y1.2 | length 5.5
  Bottom Layer w0.15: IC5.2 IC5.2@-22.29,-5.483 ; v1(-2.8,-8.916) J1.30 ; J1.27 v1(-1.6,-8.916) -0.956,-8.916 -0.4,-8.36 J1.24 ; J1.21 0.803,-7.803 0.803,-8.413 1.262,-8.872
  other v1: -16.513,-11.886 8.675,-10.282 -17.206,-10.053 -23.255,-9.907 2,-8.916 18.2,-8.916 12.574,-8.456 26.239,-7.668 4.725,-6.305 -3.7,-5.6 18.2,-4.992 -26.019,-4.858 -16.16,-4.205 2.405,-4.205 26.239,-3.603 -26.039,-0.675 -16.16,-0.628 -26.039,3.608 13.775,5.568 -26.015,7.609 13.8,10.387 -12.445,11.726 -7,12.135 -4,12.135 -1,12.135 2,12.135 -24.7,12.995
GP0: J1.5
NetJ2_12: J2.12 R1.1 | length 14.9
  Top Layer w0.164: v1(4,9.302) 4,7.953 7.8,4.153 v1(7.8,-1.5)
  Bottom Layer w0.15: v1(4,9.302) J2.12
  Bottom Layer w0.164: R1.1 7.8,-2.557 v1(7.8,-1.5)
STROBE: J1.11
pads on no net: FD1.1 FD2.1 FD3.1 FD4.1 IC1.4 IC3.4 IC4.4 IC5.4 IC6.4 IC7.4 IC8.4 Y1.1

## Polygon pours and split planes (outlines as drawn)
GND on Bottom Layer "GND_L04_P002" (solid, remove dead copper, pour order 2): -30,15 -30,-15 30,-15 30,15
+3V3 on Bottom Layer "+3V3_L04_P001" (solid, remove dead copper, pour order 1): 9.223,9.549 9.223,6.334 10.873,4.685 12.298,4.685 12.85,5.237 12.85,9.796 12.522,10.123 9.798,10.123
+3V3_EXT on Bottom Layer "+3V3_EXT_L04_P000" (solid, remove dead copper, pour order 0): 6,9.15 7.15,8 8.923,8 9.223,8.3 9.223,10.477 7.7,12 6.5,12 6,11.5
GND on VCC "GND_L03_P003" (solid, remove dead copper, pour order 3): 2.29,13.14 3.1,12.33 3.1,9.695 1.705,8.3 -6.917,8.3 -8.2,9.583 -8.2,12.3 -7.36,13.14
+3V3 on VCC "+3V3_L03_P008" (solid, remove dead copper, pour order 8): -30,-15 30,-15 30,15 -30,15
+VDDIO on VCC "+VDDIO_L03_P007" (solid, remove dead copper, pour order 7): 4.782,3.882 -2.138,-3.038 -2.138,-4.369 0.594,-7.1 19.234,-7.1 27.2,0.866 27.2,2.9 26.218,3.882
AGND on GND "AGND_L02_P004" (solid, remove dead copper, pour order 4): -15.86,13.6 -7.7,5.44 -7.7,-1.26 -8.543,-2.103 -19.375,-2.103 -22.3,0.822 -22.3,12.8 -21.5,13.6
GND on GND "GND_L02_P005" (solid, remove dead copper, pour order 5): -30,-15 30,-15 30,15 -30,15
GND on Top Layer "GND_L01_P006" (solid, remove dead copper, pour order 6): -30,15 30,15 30,-15 -30,-15

## Keep-outs
Keep-Out Layer:
  the board outline again, w0.2

## Other copper
Top Layer:
  text "1" at -9.9,-14.653 h0.76
  text ".PartNumber-.Revision" at -15.484,-14.78 h0.76
  text ".Layer_Name" at -20.912,-19.019 h1.02
GND:
  text "2" at -9.354,-14.653 h0.76
VCC:
  text "3" at -8.554,-14.653 h0.76
Bottom Layer:
  region net EN: -21.117,-4.521 -20.817,-4.821 -20.789,-4.821 -20.789,-4.234
  region net EN: -21.097,-0.375 -20.797,-0.675 -20.769,-0.675 -20.769,-0.088
  region net EN: -21.095,3.908 -20.795,3.608 -20.767,3.608 -20.767,4.195
  region net EN: -21.095,7.909 -20.795,7.609 -20.767,7.609 -20.767,8.196
  region net EN: -21.095,12.013 -20.795,11.713 -20.767,11.713 -20.767,12.3
  region net +3V3-BIAS: -20.553,-11.886 -19.312,-11.886 -19.933,-11.266
  text "4" at -7.754,-14.653 h0.76
  text ".Layer_Name" at -20.912,-19.019 h1.02
Multi-Layer:
  pour cut-out: -6.994,-13.64 -6.994,-15 -10.152,-15 -10.152,-13.64

## Silkscreen, mask and mechanical layers (free items; w line width, h text height)
Top Overlay:
  drawing of 9 lines, arcs and shapes, not listed
  text ".PartNumber-.Revision" at -15.484,-14.78 h0.76
  text ".Layer_Name" at -20.912,-19.019 h1.02
Bottom Overlay:
  text "VDDA" at -10.603,9.638 h0.76
  text "+3V3" at -6.08,7.429 h0.76
  text "+2V9_A" at -4.556,4.953 h0.76
  text "+2V8_A" at -4.556,2.413 h0.76
  text "+2V7_A" at -4.556,-0.127 h0.76
  text "VDDIO" at 13.714,-1.308 h0.76
  text "+1V5_D" at -4.683,-3.927 h0.76
  text "+1V2_D" at -4.683,-6.467 h0.76
  text "+1V05_D" at -3.922,-9.007 h0.76
  text "+1V8_D" at 14.095,-11.058 h0.76
  text "VCORE" at -10.223,-11.317 h0.76
  text "+2V8_D" at 14.158,-12.697 h0.76
Top Solder:
  text ".Layer_Name" at -20.912,-19.019 h1.02
Layer Stack + Impedance Info:
  drawing of 424 lines, arcs and shapes, not listed
  text "Layer" at 38.278,19.758 h1.52
  text "Name" at 48.69,19.758 h1.52
  text "Material" at 72.306,19.758 h1.52
  text "Thickness" at 86.526,19.758 h1.52
  text "Constant" at 103.032,19.758 h1.52
  text "Board Layer Stack" at 117.506,19.758 h1.52
  text "Top Overlay" at 48.69,16.71 h1.52
  text "Top Solder" at 48.69,13.662 h1.52
  text "SM-001" at 72.306,13.662 h1.52
  text "0,025mm" at 86.526,13.662 h1.52
  text "4" at 103.032,13.662 h1.52
  text "1" at 38.278,10.614 h1.52
  text "Top Layer" at 48.69,10.614 h1.52
  text "0,018mm" at 86.526,10.614 h1.52
  text "Dielectric1" at 48.69,7.566 h1.52
  text "FR-4" at 72.306,7.566 h1.52
  text "0,120mm" at 86.526,7.566 h1.52
  text "4.3" at 103.032,7.566 h1.52
  text "2" at 38.278,4.518 h1.52
  text "GND" at 48.69,4.518 h1.52
  text "0,035mm" at 86.526,4.518 h1.52
  text "Dielectric2" at 48.69,1.47 h1.52
  text "FR-4" at 72.306,1.47 h1.52
  text "1,200mm" at 86.526,1.47 h1.52
  text "4.8" at 103.032,1.47 h1.52
  text "3" at 38.278,-1.578 h1.52
  text "VCC" at 48.69,-1.578 h1.52
  text "0,035mm" at 86.526,-1.578 h1.52
  text "Dielectric3" at 48.69,-4.626 h1.52
  text "FR-4" at 72.306,-4.626 h1.52
  text "0,120mm" at 86.526,-4.626 h1.52
  text "4.3" at 103.032,-4.626 h1.52
  text "4" at 38.278,-7.674 h1.52
  text "Bottom Layer" at 48.69,-7.674 h1.52
  text "0,018mm" at 86.526,-7.674 h1.52
  text "Bottom Solder" at 48.69,-10.722 h1.52
  text "SM-001" at 72.306,-10.722 h1.52
  text "0,025mm" at 86.526,-10.722 h1.52
  text "4" at 103.032,-10.722 h1.52
  text "Bottom Overlay" at 48.69,-13.77 h1.52
  text "Total board thickness:" at 38.278,-16.818 h1.52
  text "1,597mm" at 86.526,-16.818 h1.52
  text "LAYER NAME:" at -29.548,-18.875 h0.76
  text ".Layer_Name" at -20.912,-19.019 h1.02
  text "(TOP VIEW)" at 18.458,-19.129 h0.76
  text "DESIGN:" at -29.548,-21.146 h0.76
  text "REV.:" at 13.124,-21.146 h0.76
  text ".Revision" at 17.188,-21.146 h0.76
  text ".PartNumber" at -23.96,-21.273 h0.76
  text "GENERATED BY:" at 13.251,-23.813 h0.76
  text ".Designer" at 24.173,-23.813 h0.76
  text "9185 Wachtebeke / Rechtstro 1 bus 2 / Belgium" at -20.896,-26.287 h0.76
  text ".Print_Date" at 19.88,-26.861 h0.76
  text "DATE:" at 13.251,-26.988 h0.76
  text "Copyright 2023 / VAEngineering / ALL RIGHTS RESERVED" at -4.866,-27.15 h0.76
  text "VAEngineering" at -29.421,-27.744 h0.76

## Dimensions
-30,-15 to -30,15 on Layer Stack + Impedance Info
-30,15 to 30,15 on Layer Stack + Impedance Info